# Altium PCB LCD_Controller_Baord.PcbDoc
Units mm, origin at the board's own origin, x right, y up, seen from the top; angles counter-clockwise.
Board outline 99.31 x 99.95 mm, 2 copper layers (Top Layer, Bottom Layer); 40 components, 37 nets, 182 pads, 12 vias.
Unrouted connection lines stored in the file: 5.
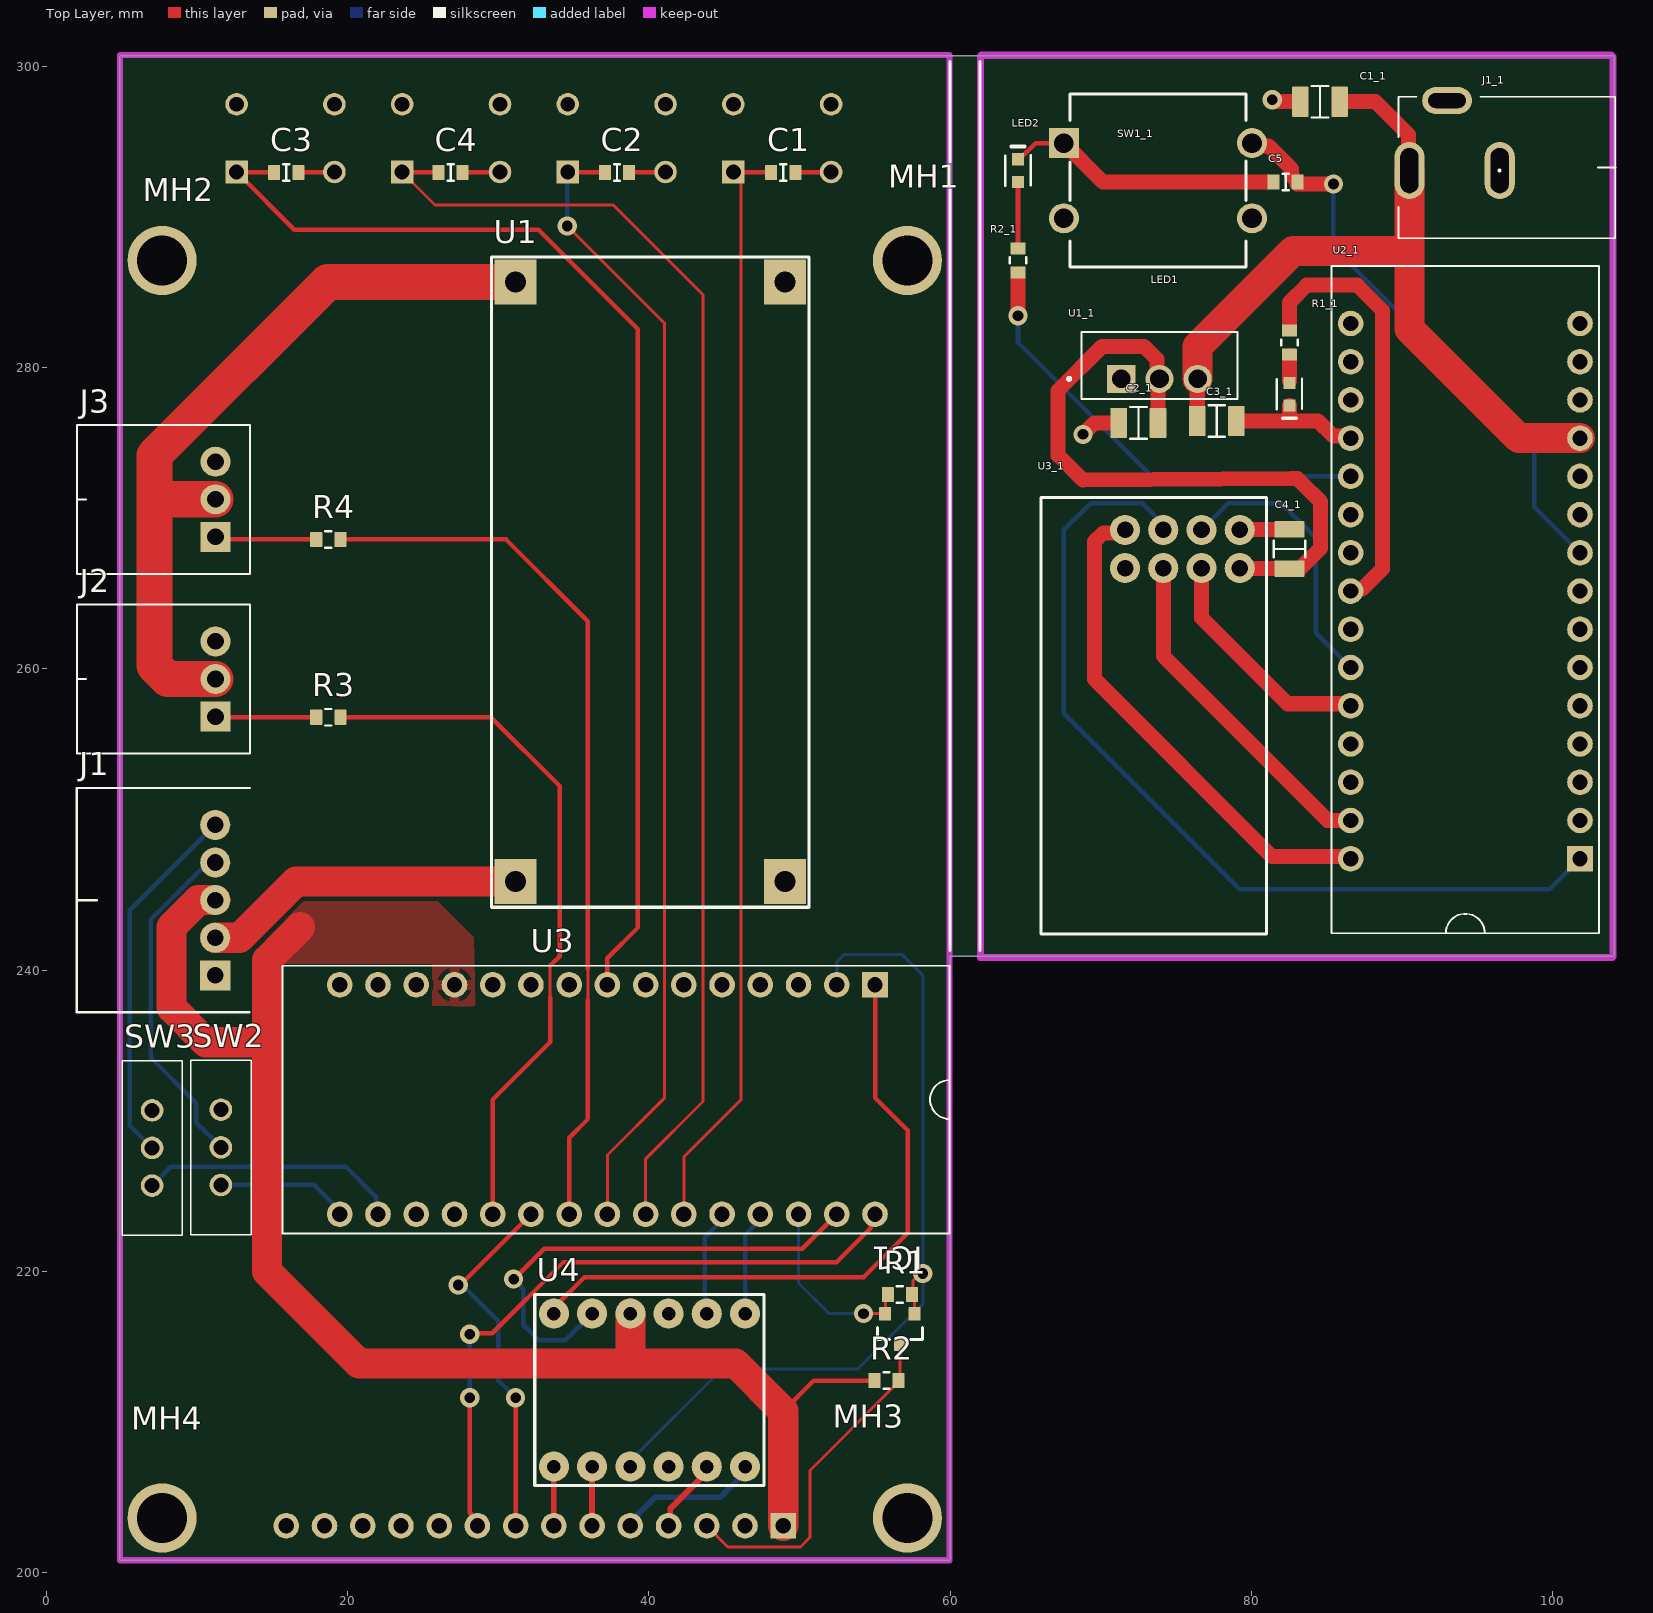
[diagram p0: Top Layer view]
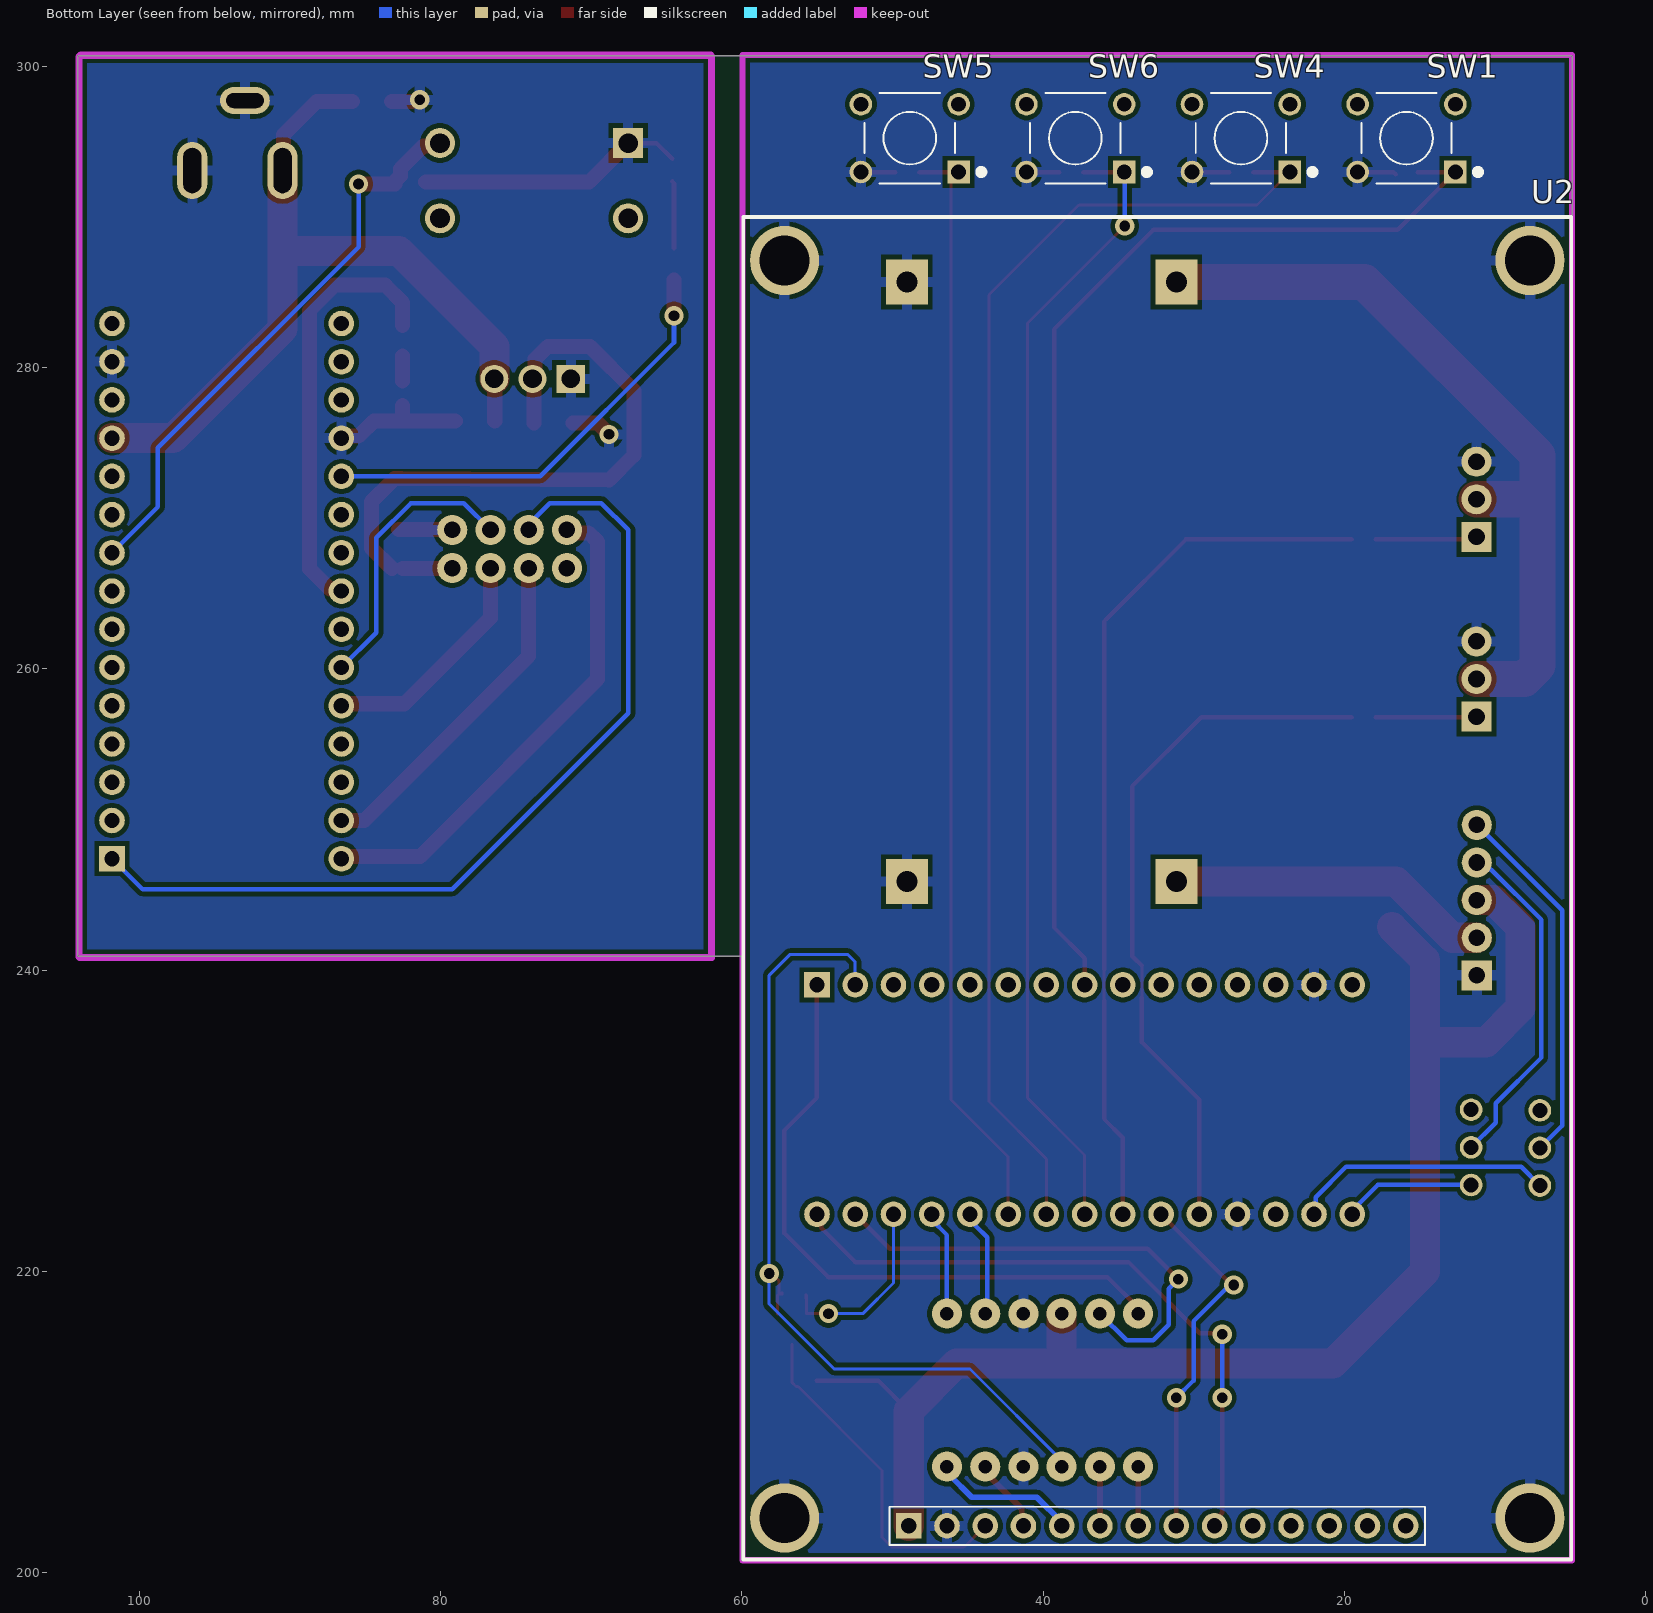
[diagram p1: Bottom Layer view, seen from below]
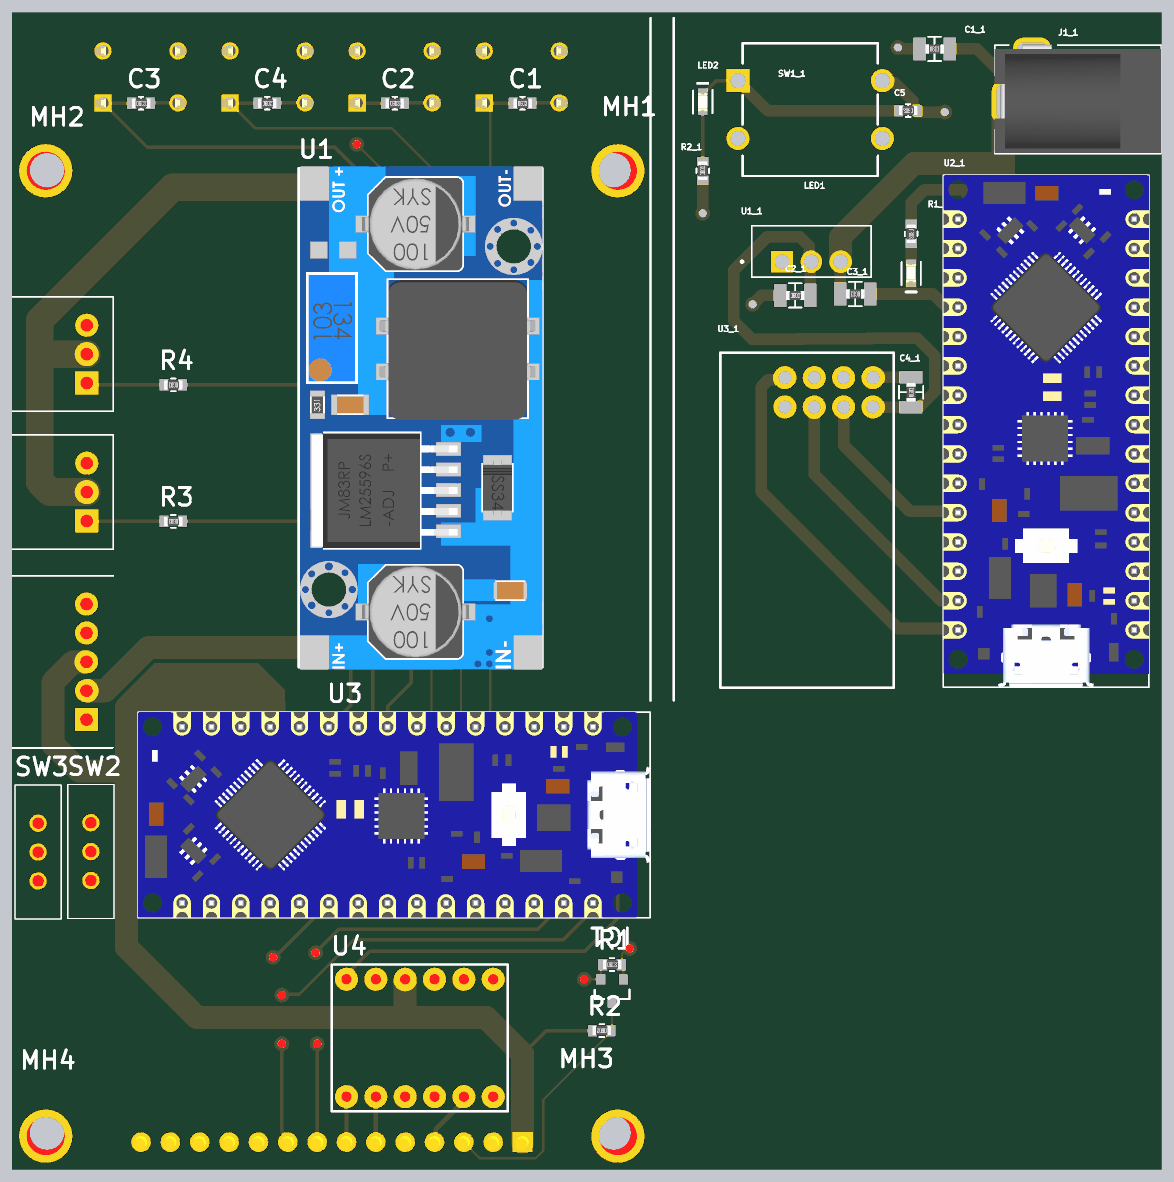
[diagram p2: 3D render of the assembled board from above, using the file's embedded part models]
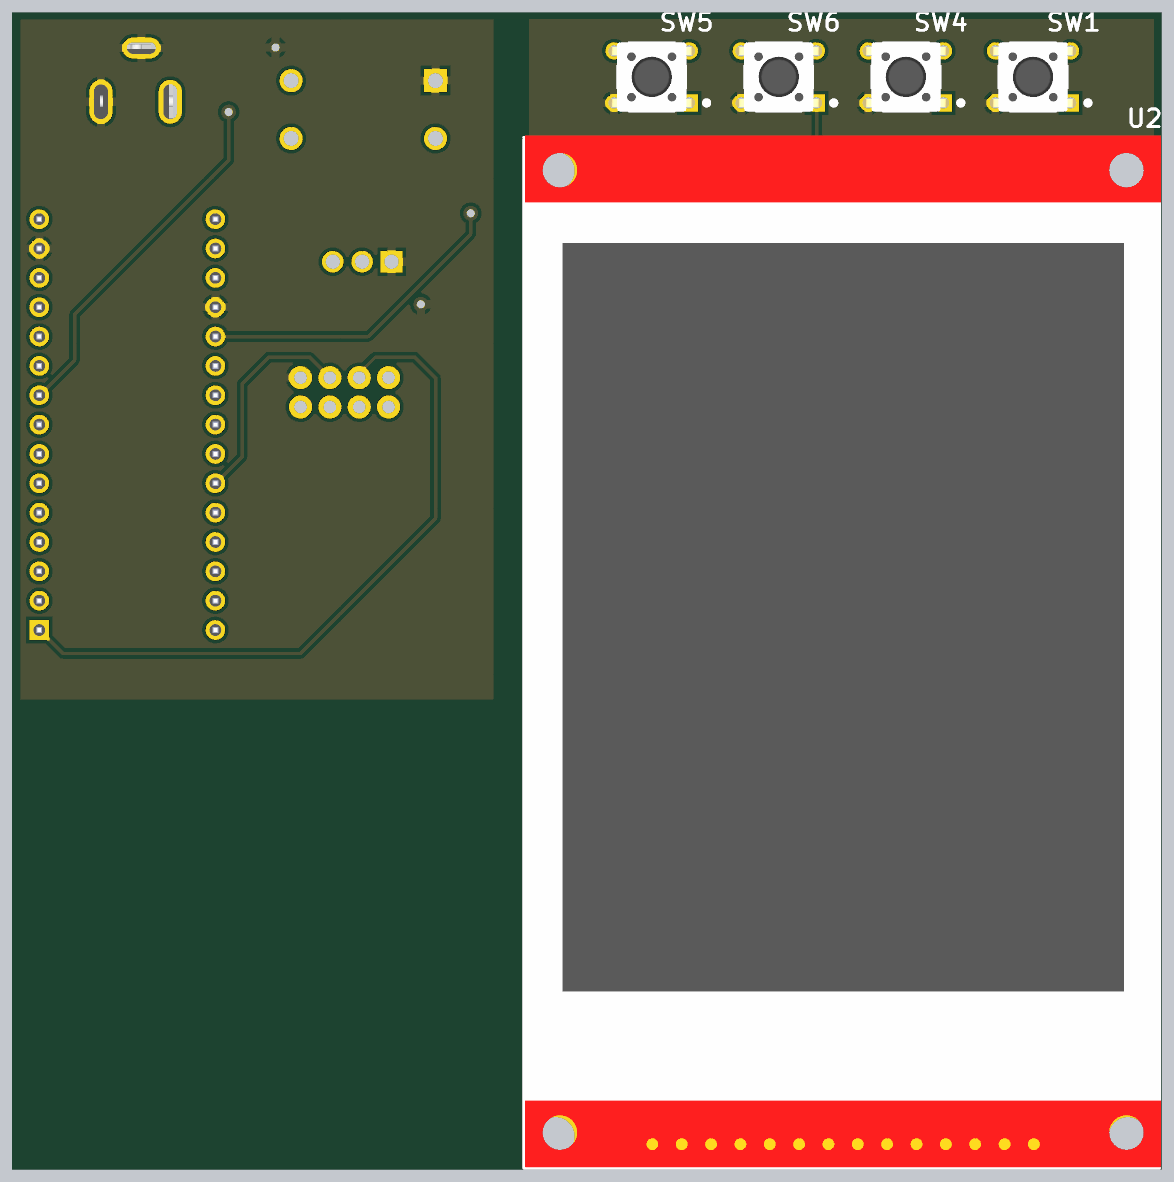
[diagram p3: 3D render of the assembled board from below, using the file's embedded part models]

## Layer stack, top to bottom
Top Solder: solder mask 0.0102, Solder Resist, Dk 3.5
Top Layer: signal copper 0.0356
Dielectric 1: dielectric 0.32, FR-4, Dk 4.8
Bottom Layer: signal copper 0.0356
Bottom Solder: solder mask 0.0102, Solder Resist, Dk 3.5

## Board outline
4.826,200.787 4.826,300.736 104.14,300.736 104.14,240.919 60,240.919 60,200.787

## Design rules (kind name [scope] priority, off if disabled: settings)
Clearance [All] p1: gap=0.3 ignorepadtopadclearanceinfootprint=FALSE except(0.2: Arc-Hole Track-Hole SMDPad-Hole)
HoleSize [All] p1: absolutevalues=TRUE maxlimit=5 minlimit=0.025 maxpercent=80.000 minpercent=20.000
MinimumSolderMaskSliver [All] p1: minsoldermaskwidth=0.1
PolygonConnect [All] p1: connectstyle=Relief reliefconductorwidth=0.7 reliefentries=4 polygonreliefangle="90 Angle" airgapwidth=0.3
RoutingVias [All] p1: holewidth=0.711 width=1.27 viastyle="Through Hole" minholewidth=0.711 minwidth=1.27 maxholewidth=0.711 maxwidth=1.27
SilkToSilkClearance [All] p1: silktosilkclearance=0.15
SilkToSolderMaskClearance [IsPad] p1: minsilkscreentomaskgap=0.15 clearancetoexposedcopper=TRUE
SolderMaskExpansion [All] p1: expansion=0.04 istentingtop=FALSE
SupplyNets "Schematic Supply Nets_3" [InNet('GND')] p1: voltage=0.000
SupplyNets "Schematic Supply Nets_2" [InNet('+12')] p2: voltage=0.000
SupplyNets "Schematic Supply Nets_1" [InNet('+5 (RGB)')] p3: voltage=0.000
SupplyNets "Schematic Supply Nets" [InNet('+5')] p4: voltage=0.000
Width [All] p1: maxlimit=3 minlimit=0.2 preferedwidth=0.3
26 further rules are at their usual default settings.

## Classes and differential pairs
component class LCD_Controller_Baord: C1 C2 C3 C4 IC1 J1 J2 J3 MH1 MH2 MH3 MH4 R1 R2 R3 R4 SW1 SW2 SW3 SW4 SW5 SW6 U1 U2 U3 U4

## Components (designator, comment, footprint, x,y, rotation, side; value= is the part's Value field where it differs from the comment)
C1 "100nF" "CAP 0603" 48.92,292.989 r0 top
C1_1 "10uF" "CAP 1206" 84.582,297.688 r0 top (schematic designator C1)
C2 "100nF" "CAP 0603" 37.871,292.989 r0 top
C2_1 "22uF" "CAP 1206" 72.517,276.352 r0 top (schematic designator C2)
C3 "100nF" "CAP 0603" 15.9,292.989 r0 top
C3_1 "10uF" "CAP 1206" 77.724,276.479 r180 top (schematic designator C3)
C4 "100nF" "CAP 0603" 26.822,292.989 r0 top
C4_1 "100uF" "CAP 1206" 82.55,267.97 r90 top (schematic designator C4)
C5 "100nF" "CAP 0603" 82.296,292.354 r180 top
IC1 "MOSFET N-CH" SOT-23 56.667,216.154 r180 top
J1 "ModuleConnect_XH_5pin" "JST S5B-XH-A" 11.18,239.642 r90 top
J1_1 "Power Jack" Power_Jack 90.52,293.116 r0 top value="CONN PWR JACK 2X5.5MM SOLDER" (schematic designator J1)
J2 "RGB_Strip" JST_S3B-XH-A(LF)(SN) 7.751,259.334 r90 top
J3 "RGB_Strip" JST_S3B-XH-A(LF)(SN) 7.751,271.272 r90 top
LED1 "0603Gr" LED_0603 82.55,278.257 r270 top value=Green
LED2 "0603Gr" LED_0603 64.516,293.116 r90 top value=Green
MH1 "=VALUE" SCREW_M3.0#1 56.667,286.893 r0 top
MH2 "=VALUE" SCREW_M3.0#2 9.169,285.242 r0 top
MH3 "=VALUE" SCREW_M3.0#3 55.651,205.105 r0 top
MH4 "=VALUE" SCREW_M3.0#4 9.042,204.978 r0 top
R1 "100Ohm" "RES 0603" 56.667,218.44 r0 top value=10K
R1_1 "100R" "RES 0603" 82.55,281.686 r270 top (schematic designator R1)
R2 "100Ohm" "RES 0603" 55.778,212.725 r180 top value=10K
R2_1 "100R" "RES 0603" 64.516,287.147 r90 top (schematic designator R2)
R3 "100Ohm" "RES 0603" 18.694,256.794 r180 top
R4 "100Ohm" "RES 0603" 18.694,268.605 r180 top
SW1 "Button" SW_FSM8JH 15.851,295.267 r0 bottom
SW1_1 "Button" Button 67.564,294.941 r0 top (schematic designator SW1)
SW2 "Switch" EG1218 11.561,230.719 r270 top
SW3 "Switch" EG1218 6.989,230.679 r270 top
SW4 "Button" SW_FSM8JH 26.851,295.267 r0 bottom
SW5 "Button" SW_FSM8JH 48.851,295.267 r0 bottom
SW6 "Button" SW_FSM8JH 37.851,295.267 r0 bottom
U1 "DC/DC Stepdown" "DC/DC Stepdown" 40.157,265.811 r90 top
U1_1 "Linear_Stabilizer" TO-220 73.914,280.162 r0 top (schematic designator U1)
U2 "LCD_Screen" 14_PIN_LCD 32.41,243.84 r180 bottom
U2_1 "Arduino_NANO" MODULE_ABX00028 94.234,265.176 r90 top (schematic designator U2)
U3 "Arduino_NANO" MODULE_ABX00028 37.236,231.394 r180 top
U3_1 "NRF_24l01" NRF24L01 75.438,267.97 r270 top (schematic designator U3)
U4 "Logic_Level_Shiftr" Logic_Shifter 40.03,212.09 r0 top

## Footprints (in the part's own frame and the unit in brackets; to place one, negate y for a bottom-side part, rotate by r counter-clockwise, add the part's x,y. Pads: shape width x height; smd on the part's side, far side on the other; paste and mask are expansions set on the pad)
14_PIN_LCD [mm]
  rect 1.7x1.7 / inner round 1.7 / far side rect 1.7x1.7 hole 1.016: 1(-16.51,-40.767)
  round 1.7 hole 1.016: 2(-13.97,-40.767) 3(-11.43,-40.767) 4(-8.89,-40.767) 5(-6.35,-40.767) 6(-3.81,-40.767) 7(-1.27,-40.767) 8(1.27,-40.767) 9(3.81,-40.767) 10(6.35,-40.767) 11(8.89,-40.767) 12(11.43,-40.767) 13(13.97,-40.767) 14(16.51,-40.767)
  silkscreen extent -27.5,-43.01 27.5,46.19, body extent -27.39,-42.94 27.65,46.36, height 8
Button [mm]
  rect 2x2 hole 1.3: 1(0,0)
  round 2 hole 1.3: 2(12.5,0) 3(0,-5) 4(12.5,-5)
  silkscreen extent 0.4,-8.25 12.1,3.25
"CAP 0603" [mm] "Chip Resistor, 2-Leads, Body 1.60x0.80mm"
  rrect10% 0.8x1 smd: 1(-0.8,0) 2(0.8,0)
  silkscreen extent -0.2,-0.55 0.2,0.55, body extent -0.8,-0.4 0.8,0.4, height 0.45
"CAP 1206" [mm] "Chip Resistor, 2-Leads, Body 1.60x0.80mm"
  rrect10% 1.1x2 smd: 1(-1.3,0) 2(1.3,0)
  silkscreen extent -0.55,-1.05 0.55,1.05, body extent -0.8,-0.4 0.8,0.4, height 0.45
"DC/DC Stepdown" [mm]
  rect 3x2.8 hole 1.4: 1(-19.939,9.017) 2(-19.939,-8.89) 3(19.9,9.017) 4(19.9,-8.89)
  silkscreen extent -21.64,-10.48 21.56,10.62, body extent -21.84,-10.5 21.72,10.5, height 14.48
EG1218 [mm]
  round 1.5 hole 1: 1(0,0) 2(2.5,0) 3(5,0)
  silkscreen extent -3.3,-2 8.3,2
"JST S5B-XH-A" [mm]
  rect 2x2 / inner round 2 / far side rect 2x2 hole 1.1: 1(0,0)
  round 2 hole 1.1: 2(2.5,0) 3(5,0) 4(7.5,0) 5(10,0)
  silkscreen extent -2.45,-2.3 12.45,9.2
JST_S3B-XH-A(LF)(SN) [mm]
  rect 2x2 hole 1.1: 1(-2.5,-3.45)
  round 2 hole 1.1: 2(0,-3.45) 3(2.5,-3.45)
  silkscreen extent -4.95,-5.75 4.95,5.75
LED_0603 [mm]
  rect 0.8x0.8 smd: 1(-0.75,0) 2(0.75,0)
  silkscreen extent -1.02,-0.84 1.6,0.84, body extent -0.84,-0.41 0.76,0.39, height 0.55
Logic_Shifter [mm]
  round 2 hole 0.9: 1(-6.35,-5.08) 2(-3.81,-5.08) 3(-1.27,-5.08) 4(1.27,-5.08) 5(3.81,-5.08) 6(6.35,-5.08) 7(6.35,5.08) 8(3.81,5.08) 9(1.27,5.08) 10(-1.27,5.08) 11(-3.81,5.08) 12(-6.35,5.08)
  silkscreen extent -7.62,-6.35 7.62,6.35
MODULE_ABX00028 [mm]
  rect 1.7x1.7 / inner round 1.7 / far side rect 1.7x1.7 hole 1.016: 1(-17.78,-7.62)
  round 1.7 hole 1.016: 2(-15.24,-7.62) 3(-12.7,-7.62) 4(-10.16,-7.62) 5(-7.62,-7.62) 6(-5.08,-7.62) 7(-2.54,-7.62) 8(0,-7.62) 9(2.54,-7.62) 10(5.08,-7.62) 11(7.62,-7.62) 12(10.16,-7.62) 13(12.7,-7.62) 14(15.24,-7.62) 15(17.78,-7.62) 16(17.78,7.62) 17(15.24,7.62) 18(12.7,7.62) 19(10.16,7.62) 20(7.62,7.62) 21(5.08,7.62) 22(2.54,7.62) 23(0,7.62) 24(-2.54,7.62) 25(-5.08,7.62) 26(-7.62,7.62) 27(-10.16,7.62) 28(-12.7,7.62) 29(-15.24,7.62) 30(-17.78,7.62)
  silkscreen extent -22.73,-8.89 21.59,8.89, body extent -22.74,-8.89 21.59,8.89, height 6
NRF24L01 [mm]
  round 2 hole 1.1: 1(1.27,-3.81) 2(1.27,-1.27) 3(1.27,1.27) 4(1.27,3.81) 5(-1.27,3.81) 6(-1.27,1.27) 7(-1.27,-1.27) 8(-1.27,-3.81)
  silkscreen extent -3.43,-9.4 25.57,5.6
Power_Jack [mm]
  oval 2x3.8 hole 1.2 slot 3 at 90 deg: 1(0,0) 2(6,0)
  oval 3.3x1.8 hole 1 slot 2.5 at 0 deg: 3(2.5,4.65)
  silkscreen extent -0.72,-4.5 13.68,4.9, body extent -0.76,-4.45 13.64,4.95, height 11.49
"RES 0603" [mm] "Chip Resistor, 2-Leads, Body 1.60x0.80mm"
  rrect10% 0.8x1 smd: 1(-0.8,0) 2(0.8,0)
  silkscreen extent -0.2,-0.55 0.2,0.55, body extent -0.8,-0.4 0.8,0.4, height 0.45
SCREW_M3.0#1 [mm] "M3 Screw Close FIt"
  round 4.6 hole 3.301: 1(0.502,0.248)
SCREW_M3.0#2 [mm] "M3 Screw Close FIt"
  round 4.6 hole 3.301: 1(-1.518,1.899)
SCREW_M3.0#3 [mm] "M3 Screw Close FIt"
  round 4.6 hole 3.301: 1(1.518,-1.516)
SCREW_M3.0#4 [mm] "M3 Screw Close FIt"
  round 4.6 hole 3.301: 1(-1.391,-1.389)
SOT-23 [mm]
  rrect10% 0.8x0.9 smd: 1(-0.98,-1) 2(0.98,-1) 3(0,1)
  silkscreen extent -1.5,-0.1 1.5,0.7, body extent -1.52,-0.7 1.52,0.7, height 1.11
SW_FSM8JH [mm]
  rect 1.498x1.498 / inner round 1.498 / far side rect 1.498x1.498 hole 0.99: 1(-3.25,2.25)
  round 1.498 hole 0.99: 2(3.25,2.25) 3(-3.25,-2.25) 4(3.25,-2.25)
  silkscreen extent -4.95,-3 3,3, body extent -3.95,-3 3.95,3, height 9.5
TO-220 [mil] "TO254P1035X444X2115-3N)"
  rect 73.5x73.5 / inner round 73.5 / far side rect 73.5x73.5 hole 49: 1(-100,-35)
  round 73.5 hole 49: 2(0,-35) 3(100,-35)
  silkscreen extent -240,-88 204,88

## Part data
C1 C1_1 C2 C2_1 C3 C3_1 C4 C4_1 C5: library part Capacitor, "SMT Capacitor"
J1_1: library part "P_Power Jack", "Power Barrel Connector Jack 2.10mm ID (0.083\"), 5.50mm OD (0.217\") Through Hole, Right Angle", LCSC Part#=C136744, MFR Part #=PJ-102A, Digikey Link=https://www.digikey.com/product-detail/en/PJ-102A/CP-102A-ND/275425/?itemSeq=304982367, Type=Extended
LED1 LED2: library part LED_GREEN_0603, "LIGHT EMITTING DIODES (LED) GREEN 520~535NM 112~258MCD@20MA TOP VIEW 0603 ROHS", LCSC Part#=C72043, MFR Part #=19-217/GHC-YR1S2/3T, Type=Basic
MH1 MH2 MH3 MH4: library part SCREW
R1 R2 R3 R4: library part R_100Ohm_1206, "100Ω ±1% 0.25W ±100ppm/℃ 1206 Chip Resistor - Surface Mount RoHS", LCSC Part#=C17901, MFR Part #=1206W4F1000T5E, Datasheet=https://datasheet.lcsc.com/lcsc/2206010145_UNI-ROYAL-Uniroyal-Elec-1206W4F1000T5E_C17901.pdf, Type=Basic
R1_1 R2_1: library part Res, "Resistor", Ordered by=Subcon, Published=8-Jun-2000, Publisher="Altium Limited", Revision="July-2002: Re-released for DXP Platform."

## Via types
v1: diameter 1.27, hole 0.711, Top Layer to Bottom Layer, tented both sides, 12 vias

## Nets (pads, with @x,y where several pads share a name; then routed paths per layer and width w, separated by ;. In a path a pad name is that pad's centre, name@x,y a point inside that pad or via, vN(x,y) a via of type N, cw(c..) or ccw(c..) an arc to the next point about the centre after c; other vN are vias at no path point)
+3.3: C2_1.2 C4_1.1 U1_1.2 U3_1.4 | length 43.8
  Top Layer w1: C2_1.2 73.817,279.176 U1_1.2 73.748,279.439 73.748,280.582 72.898,281.432 70.104,281.432 67.183,278.511 67.183,274.193 68.823,272.553 82.652,272.654 83.073,272.654 83.366,272.361 84.604,271.123 84.604,268.02 C4_1.1@83.254,266.67 ; U3_1.4 79.263,266.685 82.535,266.685 C4_1.1
+5: C1_1.2 C3_1.2 J1.3 J1_1.1 R2.2 U1_1.3 U2.1 U2_1.12 U3.12 U4.10 | length 149.5
  Top Layer w0.3: 48.92,210.693 50.952,212.725 R2.2@55.03,212.725
  Top Layer w1: C3_1.2 U1_1.3@76.424,279.243 ; C1_1.2 88.265,297.688 90.461,295.492 90.461,293.175 J1_1.1
  Top Layer w2: J1.3 10.052,244.642 8.28,242.87 8.28,237.49 10.566,235.204 14.63,235.204 ; 16.821,242.855 14.63,240.665 14.63,235.204 ; 38.76,214.63 U4.10 ; U2.1 48.92,210.693 45.745,213.868 20.726,213.868 14.63,219.964 14.63,235.204 ; U1_1.3 76.454,281.432 82.804,287.782 90.297,287.782 ; J1_1.1 90.52,287.782 90.52,282.606 97.79,275.336 U2_1.12
"+5 (RGB)": J2.2 J3.2 U1.3 | length 51.2
  Top Layer w2.4: J2.2 8.026,259.334 7.137,260.223 7.137,271.272 ; J3.2 7.137,271.272 ; U1.3 18.655,285.711 7.137,274.193 7.137,271.272
+12: J1.2 U1.1 | length 21.5
  Top Layer w2: J1.2 12.805,242.142 16.535,245.872 U1.1
BTN1: C4.1 SW4.1 U3.24 | length 88.4
  Top Layer w0.2: SW4.1@23.629,292.989 25.788,290.83 37.617,290.83 43.586,284.861 43.586,231.267 39.776,227.457 U3.24
  Top Layer w0.3: SW4.1 23.629,292.989 C4.1
BTN2: C3.1 SW1.1 U3.8 | length 77.7
  Top Layer w0.3: SW1.1 12.728,293.017 12.756,292.989 C3.1 ; SW1.1@12.756,292.862 16.439,289.179 32.664,289.179 39.268,282.575 39.268,242.824 37.236,240.792 U3.8
BTN3: C1.1 SW5.1 U3.25 | length 72.9
  Top Layer w0.2: U3.25 42.316,227.584 46.126,231.394 SW5.1@46.126,292.492
  Top Layer w0.3: SW5.1 45.629,292.989 C1.1@48.209,292.989
BTN4: C2.1 SW6.1 U3.23 | length 76.3
  Top Layer w0.2: v1(34.569,289.433) 41.046,282.956 41.046,231.521 37.236,227.711 U3.23
  Top Layer w0.3: SW6.1 34.629,292.989 C2.1@37.325,292.989
  Bottom Layer w0.3: v1(34.569,289.433) 34.569,292.985 SW6.1
CE: U2_1.25 U3_1.6 | length 18.9
  Bottom Layer w0.3: U3_1.6 78.486,271.018 81.993,271.018 84.297,268.715 84.297,262.413 U2_1.25
CNS: U2_1.26 U3_1.3 | length 15.6
  Top Layer w1: U3_1.3 76.708,263.398 82.416,257.69 86.48,257.69 U2_1.26
CS: IC1.2 R1.1 U3.28 | length 12.7
  Top Layer w0.2: v1(54.254,217.17) 55.671,217.17 IC1.2 55.714,217.18 55.714,218.413 55.74,218.44 R1.1@55.74,218.186
  Bottom Layer w0.2: U3.28 49.936,219.202 51.968,217.17 v1(54.254,217.17)
CS_3.3: IC1.3 R2.1 U2.3 | length 23.1
  Top Layer w0.2: U2.3 45.24,201.673 50.06,201.673 50.698,202.311 50.698,206.756 56.267,212.325 56.405,212.325 56.667,212.587 IC1.3
DC: U3.27 U4.7 | length 7
  Bottom Layer w0.3: U4.7 46.38,222.391 47.396,223.407 U3.27
DC_3.3: U2.5 U4.6 | length 9
  Bottom Layer w0.381: U2.5 38.76,203.327 40.411,204.978 44.729,204.978 U4.6@46.205,206.453
GND: C1.2 C1_1.1 C2.2 C2_1.1 C3.2 C3_1.1 C4.2 C4_1.2 C5.2 J1.1 J1_1.2 J1_1.3 J2.3 J3.3 LED1.2 LED2.2 MH1.1 MH2.1 MH3.1 MH4.1 SW1.2 SW1_1.1 SW4.2 SW5.2 SW6.2 U1.2 U1.4 U1_1.1 U2.2 U2_1.14 U2_1.19 U3.14 U3.19 U3_1.5 U4.4 U4.9 | length 44.8
  Top Layer w0.3: C3.2@16.573,292.862 16.728,293.017 SW1.2 ; C4.2 27.65,293.017 SW4.2 ; C2.2@38.925,292.989 38.953,293.017 SW6.2 ; C1.2@49.809,292.989 49.837,293.017 SW5.2 ; LED2.2@64.643,293.89 65.694,294.941 SW1_1.1
  Top Layer w1: SW1_1.1 70.151,292.354 81.026,292.354 ; v1(68.834,275.59) 69.596,276.352 C2_1.1 ; C3_1.1 82.55,276.479 ; U3_1.5 79.263,269.255 82.789,269.255 C4_1.2@82.804,269.27 ; v1(81.407,297.815) 81.48,297.815 81.607,297.688 C1_1.1 ; LED1.2 82.55,276.479 ; U2_1.19 86.48,275.47 85.464,275.47 84.455,276.479 82.55,276.479
LED_controll: U2.8 U3.21 | length 24.5
  Top Layer w0.3: v1(27.33,219.075) 27.457,219.075 U3.21 ; U2.8 v1(31.14,211.582)
  Bottom Layer w0.3: v1(27.33,219.075) 27.584,219.075 29.997,216.662 29.997,212.725 v1(31.14,211.582)
LV: IC1.1 R1.2 U3.2 U4.3 | length 57.4
  Top Layer w0.2: R1.2@57.34,218.44 R1.2@57.34,218.567 ; R1.2 R1.2@57.467,218.567 ; IC1.1 57.647,218.387 57.531,218.503 57.531,219.341 58.027,219.837 v1(58.191,219.837)
  Bottom Layer w0.2: U4.3 38.76,207.391 44.856,213.487 53.873,213.487 58.191,217.805 v1(58.191,219.837) 58.191,239.649 56.794,241.046 52.984,241.046 52.476,240.538 U3.2
MISO: U2.9 U2_1.30 U3.30 U3_1.8 | length 77
  Top Layer w0.3: v1(28.092,211.582) 28.092,203.949 28.6,203.441 U2.9 ; v1(28.092,215.803) 28.164,215.874 29.591,215.874 34.315,220.599 52.476,220.599 54.749,222.871 54.749,223.506 U3.30
  Top Layer w1: U3_1.8 71.437,269.049 70.182,269.049 69.596,268.463 69.596,259.334 81.4,247.53 86.48,247.53 U2_1.30
  Bottom Layer w0.3: v1(28.092,211.582) v1(28.092,215.803)
MOSI: U2_1.29 U3.29 U3_1.2 U4.11 | length 55.1
  Top Layer w0.3: v1(31.008,219.461) 33.035,221.488 50.19,221.488 U3.29
  Top Layer w1: U3_1.2 74.168,260.858 85.09,249.936 U2_1.29
  Bottom Layer w0.3: v1(31.008,219.461) 31.008,219.456 31.648,218.816 31.648,216.424 32.68,215.392 34.442,215.392 U4.11
MOSI_3.3: U2.6 U4.2 | length 3.9
  Top Layer w0.381: U2.6 U4.2
NetC5_1: C5.1 SW1_1.2 U2_1.9 | length 38.1
  Top Layer w1: SW1_1.2 80.255,294.75 81.17,294.75 82.696,293.224 82.696,292.754 C5.1 ; C5.1@83.061,292.227 v1(85.471,292.227)
  Bottom Layer w0.3: v1(85.471,292.227) 85.471,288.036 98.806,274.701 98.806,270.764 U2_1.9
NetJ1_4: J1.4 SW2.2 | length 22.9
  Bottom Layer w0.3: J1.4 10.72,247.142 10.239,246.66 10.212,246.66 6.883,243.332 6.883,234.188 9.931,231.14 9.931,229.849 SW2.2
NetJ1_5: J1.5 SW3.2 | length 24.4
  Bottom Layer w0.3: SW3.2 5.501,229.667 5.501,243.963 J1.5
NetJ2_1: J2.1 R3.2 | length 6.7
  Top Layer w0.3: J2.1 11.241,256.794 R3.2
NetJ3_1: J3.1 R4.2 | length 6.8
  Top Layer w0.3: J3.1 11.368,268.605 R4.2
NetLED1_1: LED1.1 R1_1.2 | length 1.6
  Top Layer w1: LED1.1@82.55,279.146 R1_1.2@82.55,280.787
NetLED2_1: LED2.1 R2_1.2 | length 4.5
  Top Layer w0.3: R2_1.2 64.516,292.263 LED2.1@64.643,292.39
NetR1_1: R1_1.1 U2_1.23 | length 28.8
  Top Layer w1: R1_1.1@82.55,282.829 82.55,284.353 83.693,285.496 87.054,285.496 88.72,283.83 88.72,266.647 87.383,265.31 86.748,265.31 U2_1.23
NetR2_1: R2_1.1 U2_1.20 | length 29.9
  Top Layer w1: v1(64.516,283.464) 64.516,285.847
  Bottom Layer w0.3: v1(64.516,283.464) 64.516,281.686 73.406,272.796 U2_1.20
NetR3_1: R3.1 U3.20 | length 46.7
  Top Layer w0.2: 33.426,238.18 33.426,240.284
  Top Layer w0.3: R3.1 29.489,256.794 34.061,252.222 34.061,240.919 33.426,240.284 ; U3.20 29.616,231.394 33.426,235.204 33.426,238.18
NetR4_1: R4.1 U3.22 | length 58.6
  Top Layer w0.2: 35.839,263.271 35.946,263.164 ; 35.946,237.998 35.946,240.05
  Top Layer w0.3: R4.1 30.505,268.605 35.839,263.271 ; U3.22 34.696,228.854 35.946,230.104 35.946,237.998 ; 35.946,240.05 35.946,263.164
NetSW2_3: SW2.3 U3.16 | length 8.8
  Bottom Layer w0.3: SW2.3 17.765,225.719 19.456,224.028 U3.16
NetSW3_3: SW3.3 U3.17 | length 17.4
  Bottom Layer w0.3: SW3.3 8.229,226.919 19.867,226.919 21.888,224.898 21.888,223.882 U3.17
RESET: U3.26 U4.8 | length 7.1
  Bottom Layer w0.3: U4.8 43.713,217.297 43.713,222.25 44.428,222.964 44.428,222.966 44.856,223.395 U3.26
RESET_3.3: U2.4 U4.5 | length 5
  Top Layer w0.381: U2.4 41.417,203.189 41.417,204.205 43.84,206.629 U4.5
SCK: U2_1.1 U3.1 U3_1.7 U4.12 | length 103.8
  Top Layer w0.3: U4.12 33.68,217.551 35.712,219.583 54.254,219.583 57.175,222.504 57.175,229.362 55.016,231.521 U3.1
  Bottom Layer w0.3: U3_1.7 74.168,269.621 72.771,271.018 69.342,271.018 67.564,269.24 67.564,257.048 79.248,245.364 99.822,245.364 U2_1.1
SCK_3.3: U2.7 U4.1 | length 3.9
  Top Layer w0.381: U2.7 U4.1
pads on no net: SW1.3 SW1.4 SW1_1.3 SW1_1.4 SW2.1 SW3.1 SW4.3 SW4.4 SW5.3 SW5.4 SW6.3 SW6.4 U2.10 U2.11 U2.12 U2.13 U2.14 U2_1.2 U2_1.3 U2_1.4 U2_1.5 U2_1.6 U2_1.7 U2_1.8 U2_1.10 U2_1.11 U2_1.13 U2_1.15 U2_1.16 U2_1.17 U2_1.18 U2_1.21 U2_1.22 U2_1.24 U2_1.27 U2_1.28 U3.3 U3.4 U3.5 U3.6 U3.7 U3.9 U3.10 U3.11 U3.13 U3.15 U3.18 U3_1.1

## Polygon pours and split planes (outlines as drawn)
+5 on Top Layer "+5_L01_P001" (solid, pour order 1): 13.35,245.872 24.663,245.872 28.357,242.179 28.468,237.55 25.616,237.617 25.616,240.402 15.721,240.402 13.35,243.459
GND on Bottom Layer "GND_L02_P003" (solid, remove dead copper, pour order 3): 0,308.038 0.762,308.8 113.538,308.8 113.538,187.769 0,187.769

## Keep-outs
Keep-Out Layer:
  lines w0.4: 4.851,200.787 59.969,200.787 59.969,300.787 4.851,300.787 4.851,200.787 ; 61.976,240.792 104.013,240.792 104.013,300.609 103.886,300.736 61.976,300.736 61.976,240.792 ; 62.049,240.865 104.086,240.865 104.086,300.682 103.959,300.809 62.049,300.809 62.049,240.865

## Silkscreen, mask and mechanical layers (free items; w line width, h text height)
Top Overlay:
  lines w0.2: 60,241.3 60,300.355 ; 62,241.3 62,300.355
BoardOUTLINE:
  the board outline again, w0.2